# KiCad board Keebs v2.kicad_pcb
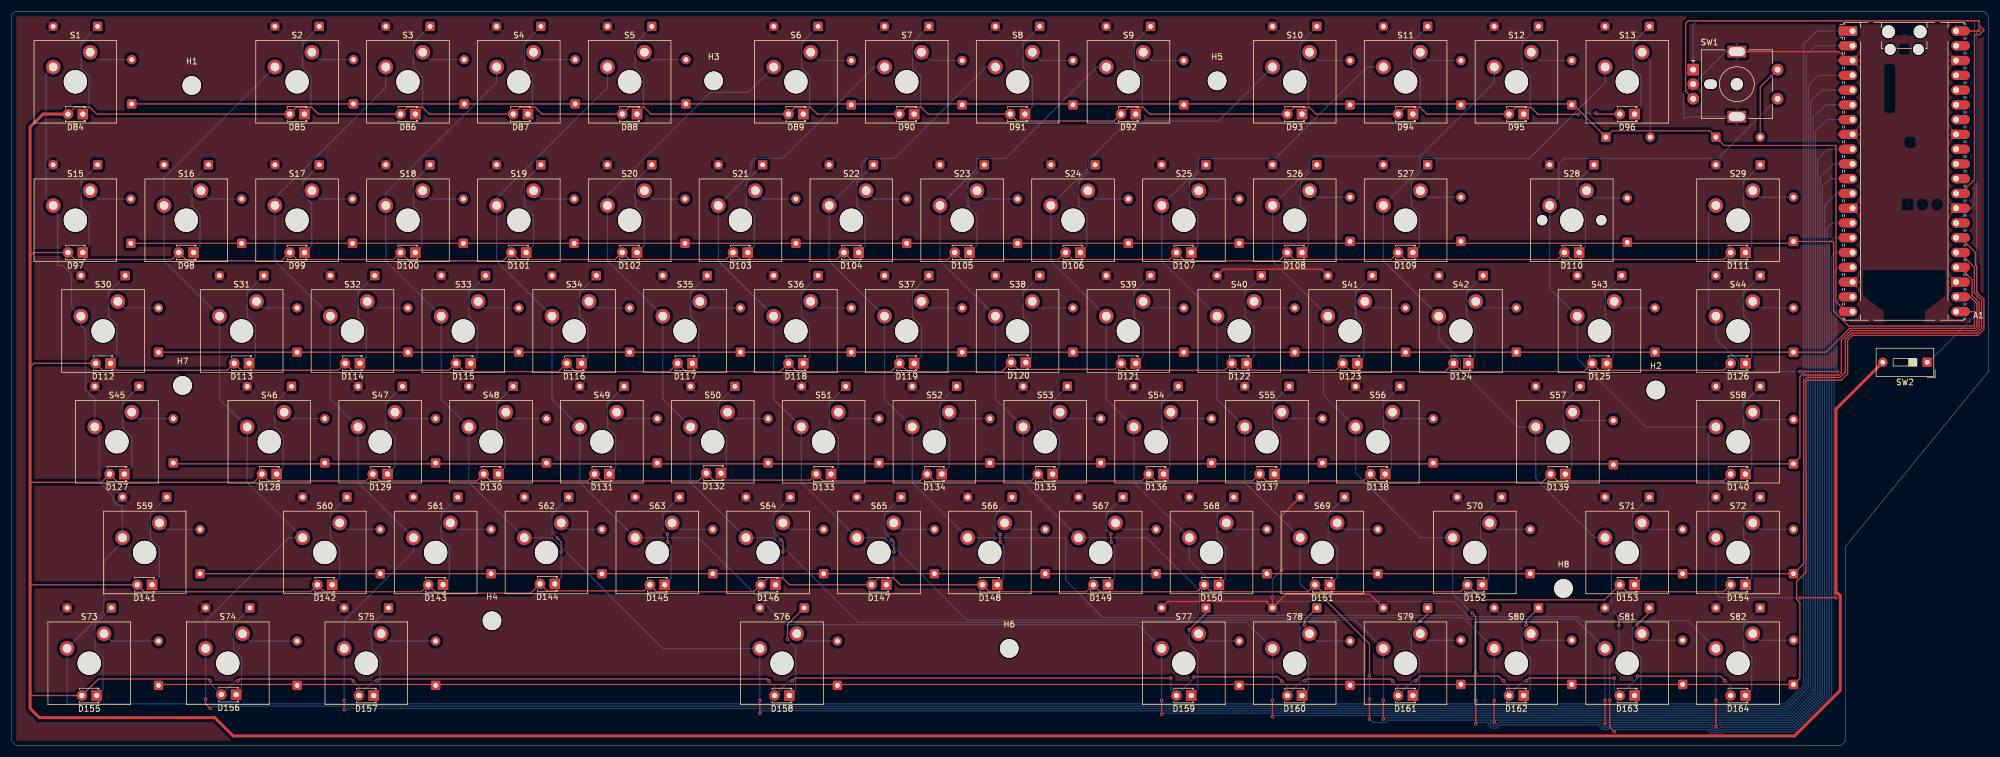
[diagram p0: board, top side]
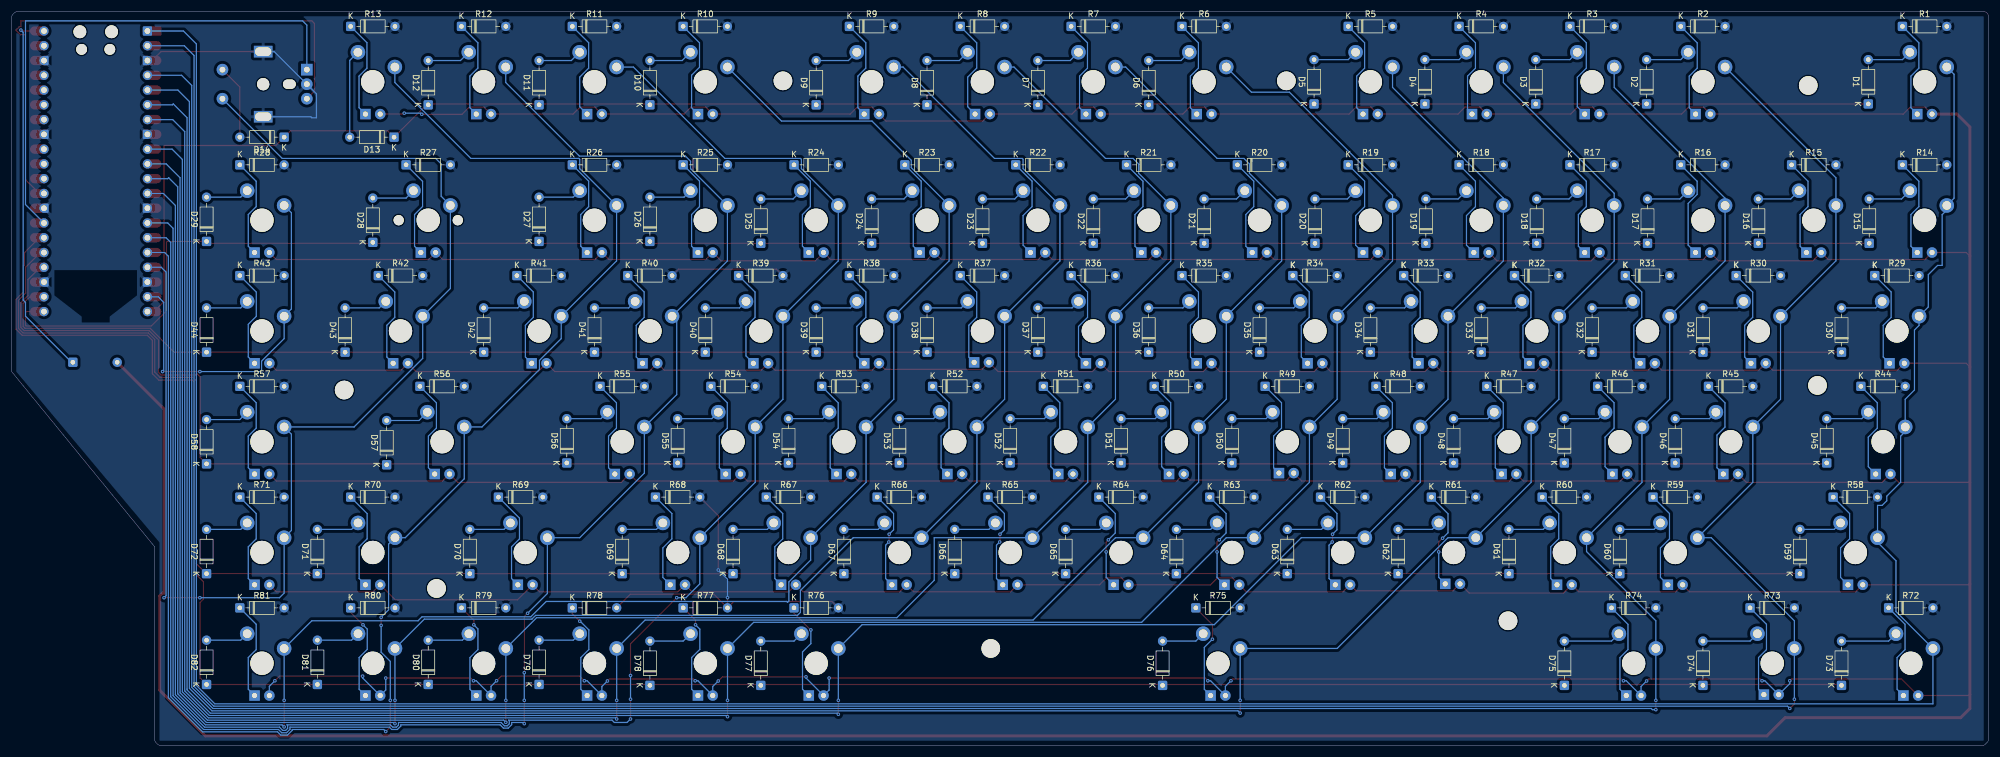
[diagram p1: board, bottom side, seen from below]

Outline 339.7 x 126.2 mm; copper layers: Top, Bottom. Coordinates in mm from the lower left corner of the outline.
Outline path: 0,125.4 0,0.79 arc(0.36,0.36) 0.79,0 314.31,0 arc(314.77,0.33) 315.1,0.79 315.1,34.13 339.7,64.29 339.7,125.4 arc(339.37,125.87) 338.91,126.2 0.79,126.2 arc(0.23,125.97) 0,125.4

## Placement (name value [footprint] x y rotation side)
A1  RaspberryPi_Pico  [RaspberryPi_Pico_Common_Unspecified]  325.26 98.74 0 top
D1  Diode  [D_DO-35_SOD27_P7.62mm_Horizontal]  20.64 110.32 90 bottom
D2  Diode  [D_DO-35_SOD27_P7.62mm_Horizontal]  58.73 110.32 90 bottom
D3  Diode  [D_DO-35_SOD27_P7.62mm_Horizontal]  77.78 110.32 90 bottom
D4  Diode  [D_DO-35_SOD27_P7.62mm_Horizontal]  96.83 110.32 90 bottom
D5  Diode  [D_DO-35_SOD27_P7.62mm_Horizontal]  115.88 110.32 90 bottom
D6  Diode  [D_DO-35_SOD27_P7.62mm_Horizontal]  144.29 110.17 90 bottom
D7  Diode  [D_DO-35_SOD27_P7.62mm_Horizontal]  163.34 110.17 90 bottom
D8  Diode  [D_DO-35_SOD27_P7.62mm_Horizontal]  182.39 110.17 90 bottom
D9  Diode  [D_DO-35_SOD27_P7.62mm_Horizontal]  201.44 110.17 90 bottom
D10  Diode  [D_DO-35_SOD27_P7.62mm_Horizontal]  230.01 110.17 90 bottom
D11  Diode  [D_DO-35_SOD27_P7.62mm_Horizontal]  249.06 110.17 90 bottom
D12  Diode  [D_DO-35_SOD27_P7.62mm_Horizontal]  268.11 110.17 90 bottom
D13  Diode  [D_DO-35_SOD27_P7.62mm_Horizontal]  273.99 104.61 0 bottom
D14  Diode  [D_DO-35_SOD27_P7.62mm_Horizontal]  292.88 104.61 0 bottom
D15  Diode  [D_DO-35_SOD27_P7.62mm_Horizontal]  20.48 86.35 90 bottom
D16  Diode  [D_DO-35_SOD27_P7.62mm_Horizontal]  39.53 86.35 90 bottom
D17  Diode  [D_DO-35_SOD27_P7.62mm_Horizontal]  58.58 86.35 90 bottom
D18  Diode  [D_DO-35_SOD27_P7.62mm_Horizontal]  77.62 86.35 90 bottom
D19  Diode  [D_DO-35_SOD27_P7.62mm_Horizontal]  96.67 86.35 90 bottom
D20  Diode  [D_DO-35_SOD27_P7.62mm_Horizontal]  115.72 86.35 90 bottom
D21  Diode  [D_DO-35_SOD27_P7.62mm_Horizontal]  134.77 86.35 90 bottom
D22  Diode  [D_DO-35_SOD27_P7.62mm_Horizontal]  153.82 86.35 90 bottom
D23  Diode  [D_DO-35_SOD27_P7.62mm_Horizontal]  172.87 86.35 90 bottom
D24  Diode  [D_DO-35_SOD27_P7.62mm_Horizontal]  191.92 86.35 90 bottom
D25  Diode  [D_DO-35_SOD27_P7.62mm_Horizontal]  210.97 86.35 90 bottom
D26  Diode  [D_DO-35_SOD27_P7.62mm_Horizontal]  230.01 86.67 90 bottom
D27  Diode  [D_DO-35_SOD27_P7.62mm_Horizontal]  249.06 86.67 90 bottom
D28  Diode  [D_DO-35_SOD27_P7.62mm_Horizontal]  277.64 86.51 90 bottom
D29  Diode  [D_DO-35_SOD27_P7.62mm_Horizontal]  306.21 86.67 90 bottom
D30  Diode  [D_DO-35_SOD27_P7.62mm_Horizontal]  25.24 67.62 90 bottom
D31  Diode  [D_DO-35_SOD27_P7.62mm_Horizontal]  49.05 67.62 90 bottom
D32  Diode  [D_DO-35_SOD27_P7.62mm_Horizontal]  68.1 67.62 90 bottom
D33  Diode  [D_DO-35_SOD27_P7.62mm_Horizontal]  87.15 67.62 90 bottom
D34  Diode  [D_DO-35_SOD27_P7.62mm_Horizontal]  106.2 67.62 90 bottom
D35  Diode  [D_DO-35_SOD27_P7.62mm_Horizontal]  125.25 67.62 90 bottom
D36  Diode  [D_DO-35_SOD27_P7.62mm_Horizontal]  144.31 67.62 90 bottom
D37  Diode  [D_DO-35_SOD27_P7.62mm_Horizontal]  163.34 67.62 90 bottom
D38  Diode  [D_DO-35_SOD27_P7.62mm_Horizontal]  182.39 67.62 90 bottom
D39  Diode  [D_DO-35_SOD27_P7.62mm_Horizontal]  201.44 67.62 90 bottom
D40  Diode  [D_DO-35_SOD27_P7.62mm_Horizontal]  220.49 67.62 90 bottom
D41  Diode  [D_DO-35_SOD27_P7.62mm_Horizontal]  239.54 67.62 90 bottom
D42  Diode  [D_DO-35_SOD27_P7.62mm_Horizontal]  258.59 67.62 90 bottom
D43  Diode  [D_DO-35_SOD27_P7.62mm_Horizontal]  282.4 67.62 90 bottom
D44  Diode  [D_DO-35_SOD27_P7.62mm_Horizontal]  306.21 67.62 90 bottom
D45  Diode  [D_DO-35_SOD27_P7.62mm_Horizontal]  27.78 48.57 90 bottom
D46  Diode  [D_DO-35_SOD27_P7.62mm_Horizontal]  53.81 48.57 90 bottom
D47  Diode  [D_DO-35_SOD27_P7.62mm_Horizontal]  72.86 48.57 90 bottom
D48  Diode  [D_DO-35_SOD27_P7.62mm_Horizontal]  91.91 48.57 90 bottom
D49  Diode  [D_DO-35_SOD27_P7.62mm_Horizontal]  110.96 48.57 90 bottom
D50  Diode  [D_DO-35_SOD27_P7.62mm_Horizontal]  130.01 48.57 90 bottom
D51  Diode  [D_DO-35_SOD27_P7.62mm_Horizontal]  149.06 48.57 90 bottom
D52  Diode  [D_DO-35_SOD27_P7.62mm_Horizontal]  168.11 48.57 90 bottom
D53  Diode  [D_DO-35_SOD27_P7.62mm_Horizontal]  187.15 48.57 90 bottom
D54  Diode  [D_DO-35_SOD27_P7.62mm_Horizontal]  206.2 48.57 90 bottom
D55  Diode  [D_DO-35_SOD27_P7.62mm_Horizontal]  225.25 48.57 90 bottom
D56  Diode  [D_DO-35_SOD27_P7.62mm_Horizontal]  244.3 48.57 90 bottom
D57  Diode  [D_DO-35_SOD27_P7.62mm_Horizontal]  275.26 48.26 90 bottom
D58  Diode  [D_DO-35_SOD27_P7.62mm_Horizontal]  306.21 48.42 90 bottom
D59  Diode  [D_DO-35_SOD27_P7.62mm_Horizontal]  32.38 29.52 90 bottom
D60  Diode  [D_DO-35_SOD27_P7.62mm_Horizontal]  63.34 29.52 90 bottom
D61  Diode  [D_DO-35_SOD27_P7.62mm_Horizontal]  82.39 29.52 90 bottom
D62  Diode  [D_DO-35_SOD27_P7.62mm_Horizontal]  101.44 29.52 90 bottom
D63  Diode  [D_DO-35_SOD27_P7.62mm_Horizontal]  120.48 29.52 90 bottom
D64  Diode  [D_DO-35_SOD27_P7.62mm_Horizontal]  139.53 29.52 90 bottom
D65  Diode  [D_DO-35_SOD27_P7.62mm_Horizontal]  158.58 29.52 90 bottom
D66  Diode  [D_DO-35_SOD27_P7.62mm_Horizontal]  177.63 29.52 90 bottom
D67  Diode  [D_DO-35_SOD27_P7.62mm_Horizontal]  196.68 29.52 90 bottom
D68  Diode  [D_DO-35_SOD27_P7.62mm_Horizontal]  215.73 29.52 90 bottom
D69  Diode  [D_DO-35_SOD27_P7.62mm_Horizontal]  234.78 29.52 90 bottom
D70  Diode  [D_DO-35_SOD27_P7.62mm_Horizontal]  260.97 29.52 90 bottom
D71  Diode  [D_DO-35_SOD27_P7.62mm_Horizontal]  287.16 29.52 90 bottom
D72  Diode  [D_DO-35_SOD27_P7.62mm_Horizontal]  306.21 29.52 90 bottom
D73  Diode  [D_DO-35_SOD27_P7.62mm_Horizontal]  25.24 10.32 90 bottom
D74  Diode  [D_DO-35_SOD27_P7.62mm_Horizontal]  49.05 10.32 90 bottom
D75  Diode  [D_DO-35_SOD27_P7.62mm_Horizontal]  72.86 10.32 90 bottom
D76  Diode  [D_DO-35_SOD27_P7.62mm_Horizontal]  141.91 10.32 90 bottom
D77  Diode  [D_DO-35_SOD27_P7.62mm_Horizontal]  210.97 10.32 90 bottom
D78  Diode  [D_DO-35_SOD27_P7.62mm_Horizontal]  230.01 10.32 90 bottom
D79  Diode  [D_DO-35_SOD27_P7.62mm_Horizontal]  249.06 10.48 90 bottom
D80  Diode  [D_DO-35_SOD27_P7.62mm_Horizontal]  268.11 10.48 90 bottom
D81  Diode  [D_DO-35_SOD27_P7.62mm_Horizontal]  287.16 10.48 90 bottom
D82  Diode  [D_DO-35_SOD27_P7.62mm_Horizontal]  306.21 10.48 90 bottom
D84  Placeholder_LED  [LED_D1.8mm_W3.3mm_H2.4mm]  12.22 108.58 180 top
D85  Placeholder_LED  [LED_D1.8mm_W3.3mm_H2.4mm]  50.32 108.58 180 top
D86  Placeholder_LED  [LED_D1.8mm_W3.3mm_H2.4mm]  69.37 108.58 180 top
D87  Placeholder_LED  [LED_D1.8mm_W3.3mm_H2.4mm]  88.74 108.58 180 top
D88  Placeholder_LED  [LED_D1.8mm_W3.3mm_H2.4mm]  107.47 108.58 180 top
D89  Placeholder_LED  [LED_D1.8mm_W3.3mm_H2.4mm]  136.04 108.58 180 top
D90  Placeholder_LED  [LED_D1.8mm_W3.3mm_H2.4mm]  155.09 108.58 180 top
D91  Placeholder_LED  [LED_D1.8mm_W3.3mm_H2.4mm]  174.14 108.58 180 top
D92  Placeholder_LED  [LED_D1.8mm_W3.3mm_H2.4mm]  193.19 108.58 180 top
D93  Placeholder_LED  [LED_D1.8mm_W3.3mm_H2.4mm]  221.76 108.58 180 top
D94  Placeholder_LED  [LED_D1.8mm_W3.3mm_H2.4mm]  240.81 108.58 180 top
D95  Placeholder_LED  [LED_D1.8mm_W3.3mm_H2.4mm]  259.86 108.58 180 top
D96  Placeholder_LED  [LED_D1.8mm_W3.3mm_H2.4mm]  278.91 108.58 180 top
D97  Placeholder_LED  [LED_D1.8mm_W3.3mm_H2.4mm]  12.22 84.77 180 top
D98  Placeholder_LED  [LED_D1.8mm_W3.3mm_H2.4mm]  31.27 84.77 180 top
D99  Placeholder_LED  [LED_D1.8mm_W3.3mm_H2.4mm]  50.32 84.77 180 top
D100  Placeholder_LED  [LED_D1.8mm_W3.3mm_H2.4mm]  69.37 84.77 180 top
D101  Placeholder_LED  [LED_D1.8mm_W3.3mm_H2.4mm]  88.42 84.77 180 top
D102  Placeholder_LED  [LED_D1.8mm_W3.3mm_H2.4mm]  107.47 84.77 180 top
D103  Placeholder_LED  [LED_D1.8mm_W3.3mm_H2.4mm]  126.52 84.77 180 top
D104  Placeholder_LED  [LED_D1.8mm_W3.3mm_H2.4mm]  145.56 84.77 180 top
D105  Placeholder_LED  [LED_D1.8mm_W3.3mm_H2.4mm]  164.61 84.77 180 top
D106  Placeholder_LED  [LED_D1.8mm_W3.3mm_H2.4mm]  183.66 84.77 180 top
D107  Placeholder_LED  [LED_D1.8mm_W3.3mm_H2.4mm]  202.71 84.77 180 top
D108  Placeholder_LED  [LED_D1.8mm_W3.3mm_H2.4mm]  221.76 84.77 180 top
D109  Placeholder_LED  [LED_D1.8mm_W3.3mm_H2.4mm]  240.81 84.77 180 top
D110  Placeholder_LED  [LED_D1.8mm_W3.3mm_H2.4mm]  269.38 84.77 180 top
D111  Placeholder_LED  [LED_D1.8mm_W3.3mm_H2.4mm]  297.96 84.77 180 top
D112  Placeholder_LED  [LED_D1.8mm_W3.3mm_H2.4mm]  16.99 65.72 180 top
D113  Placeholder_LED  [LED_D1.8mm_W3.3mm_H2.4mm]  40.8 65.72 180 top
D114  Placeholder_LED  [LED_D1.8mm_W3.3mm_H2.4mm]  59.85 65.72 180 top
D115  Placeholder_LED  [LED_D1.8mm_W3.3mm_H2.4mm]  78.89 65.72 180 top
D116  Placeholder_LED  [LED_D1.8mm_W3.3mm_H2.4mm]  97.94 65.72 180 top
D117  Placeholder_LED  [LED_D1.8mm_W3.3mm_H2.4mm]  116.99 65.72 180 top
D118  Placeholder_LED  [LED_D1.8mm_W3.3mm_H2.4mm]  136.04 65.72 180 top
D119  Placeholder_LED  [LED_D1.8mm_W3.3mm_H2.4mm]  155.09 65.72 180 top
D120  Placeholder_LED  [LED_D1.8mm_W3.3mm_H2.4mm]  174.3 65.88 180 top
D121  Placeholder_LED  [LED_D1.8mm_W3.3mm_H2.4mm]  193.19 65.72 180 top
D122  Placeholder_LED  [LED_D1.8mm_W3.3mm_H2.4mm]  212.24 65.72 180 top
D123  Placeholder_LED  [LED_D1.8mm_W3.3mm_H2.4mm]  231.28 65.72 180 top
D124  Placeholder_LED  [LED_D1.8mm_W3.3mm_H2.4mm]  250.33 65.72 180 top
D125  Placeholder_LED  [LED_D1.8mm_W3.3mm_H2.4mm]  274.14 65.72 180 top
D126  Placeholder_LED  [LED_D1.8mm_W3.3mm_H2.4mm]  297.96 65.72 180 top
D127  Placeholder_LED  [LED_D1.8mm_W3.3mm_H2.4mm]  19.37 46.67 180 top
D128  Placeholder_LED  [LED_D1.8mm_W3.3mm_H2.4mm]  45.56 46.67 180 top
D129  Placeholder_LED  [LED_D1.8mm_W3.3mm_H2.4mm]  64.61 46.67 180 top
D130  Placeholder_LED  [LED_D1.8mm_W3.3mm_H2.4mm]  83.66 46.67 180 top
D131  Placeholder_LED  [LED_D1.8mm_W3.3mm_H2.4mm]  102.71 46.67 180 top
D132  Placeholder_LED  [LED_D1.8mm_W3.3mm_H2.4mm]  121.91 46.83 180 top
D133  Placeholder_LED  [LED_D1.8mm_W3.3mm_H2.4mm]  140.8 46.67 180 top
D134  Placeholder_LED  [LED_D1.8mm_W3.3mm_H2.4mm]  159.85 46.67 180 top
D135  Placeholder_LED  [LED_D1.8mm_W3.3mm_H2.4mm]  178.9 46.67 180 top
D136  Placeholder_LED  [LED_D1.8mm_W3.3mm_H2.4mm]  197.95 46.67 180 top
D137  Placeholder_LED  [LED_D1.8mm_W3.3mm_H2.4mm]  217 46.67 180 top
D138  Placeholder_LED  [LED_D1.8mm_W3.3mm_H2.4mm]  236.05 46.67 180 top
D139  Placeholder_LED  [LED_D1.8mm_W3.3mm_H2.4mm]  267 46.67 180 top
D140  Placeholder_LED  [LED_D1.8mm_W3.3mm_H2.4mm]  297.96 46.67 180 top
D141  Placeholder_LED  [LED_D1.8mm_W3.3mm_H2.4mm]  24.13 27.62 180 top
D142  Placeholder_LED  [LED_D1.8mm_W3.3mm_H2.4mm]  55.08 27.62 180 top
D143  Placeholder_LED  [LED_D1.8mm_W3.3mm_H2.4mm]  74.13 27.62 180 top
D144  Placeholder_LED  [LED_D1.8mm_W3.3mm_H2.4mm]  93.34 27.78 180 top
D145  Placeholder_LED  [LED_D1.8mm_W3.3mm_H2.4mm]  112.23 27.62 180 top
D146  Placeholder_LED  [LED_D1.8mm_W3.3mm_H2.4mm]  131.28 27.62 180 top
D147  Placeholder_LED  [LED_D1.8mm_W3.3mm_H2.4mm]  150.33 27.62 180 top
D148  Placeholder_LED  [LED_D1.8mm_W3.3mm_H2.4mm]  169.38 27.62 180 top
D149  Placeholder_LED  [LED_D1.8mm_W3.3mm_H2.4mm]  188.42 27.62 180 top
D150  Placeholder_LED  [LED_D1.8mm_W3.3mm_H2.4mm]  207.47 27.62 180 top
D151  Placeholder_LED  [LED_D1.8mm_W3.3mm_H2.4mm]  226.52 27.62 180 top
D152  Placeholder_LED  [LED_D1.8mm_W3.3mm_H2.4mm]  252.71 27.62 180 top
D153  Placeholder_LED  [LED_D1.8mm_W3.3mm_H2.4mm]  278.91 27.62 180 top
D154  Placeholder_LED  [LED_D1.8mm_W3.3mm_H2.4mm]  297.96 27.62 180 top
D155  Placeholder_LED  [LED_D1.8mm_W3.3mm_H2.4mm]  14.6 8.57 180 top
D156  Placeholder_LED  [LED_D1.8mm_W3.3mm_H2.4mm]  38.57 8.73 180 top
D157  Placeholder_LED  [LED_D1.8mm_W3.3mm_H2.4mm]  62.23 8.57 180 top
D158  Placeholder_LED  [LED_D1.8mm_W3.3mm_H2.4mm]  133.66 8.57 180 top
D159  Placeholder_LED  [LED_D1.8mm_W3.3mm_H2.4mm]  202.71 8.57 180 top
D160  Placeholder_LED  [LED_D1.8mm_W3.3mm_H2.4mm]  221.76 8.57 180 top
D161  Placeholder_LED  [LED_D1.8mm_W3.3mm_H2.4mm]  240.81 8.57 180 top
D162  Placeholder_LED  [LED_D1.8mm_W3.3mm_H2.4mm]  259.86 8.57 180 top
D163  Placeholder_LED  [LED_D1.8mm_W3.3mm_H2.4mm]  278.91 8.57 180 top
D164  Placeholder_LED  [LED_D1.8mm_W3.3mm_H2.4mm]  297.96 8.57 180 top
H1  Mounting_Hole  [MountingHole_3.2mm_M3]  30.95 113.5 0 top
H2  Mounting_Hole  [MountingHole_3.2mm_M3]  282.56 61.11 0 top
H3  Mounting_Hole  [MountingHole_3.2mm_M3]  120.64 114.29 0 top
H4  Mounting_Hole  [MountingHole_3.2mm_M3]  82.54 21.43 0 top
H5  Mounting_Hole  [MountingHole_3.2mm_M3]  207.16 114.29 0 top
H6  Mounting_Hole  [MountingHole_3.2mm_M3]  171.44 16.67 0 top
H7  Mounting_Hole  [MountingHole_3.2mm_M3]  29.37 61.91 0 top
H8  Mounting_Hole  [MountingHole_3.2mm_M3]  266.68 26.99 0 top
R1  Resistor  [D_DO-35_SOD27_P7.62mm_Horizontal]  14.77 123.66 180 bottom
R2  Resistor  [D_DO-35_SOD27_P7.62mm_Horizontal]  52.86 123.66 180 bottom
R3  Resistor  [D_DO-35_SOD27_P7.62mm_Horizontal]  71.91 123.66 180 bottom
R4  Resistor  [D_DO-35_SOD27_P7.62mm_Horizontal]  90.96 123.66 180 bottom
R5  Resistor  [D_DO-35_SOD27_P7.62mm_Horizontal]  110.01 123.66 180 bottom
R6  Resistor  [D_DO-35_SOD27_P7.62mm_Horizontal]  138.58 123.66 180 bottom
R7  Resistor  [D_DO-35_SOD27_P7.62mm_Horizontal]  157.63 123.66 180 bottom
R8  Resistor  [D_DO-35_SOD27_P7.62mm_Horizontal]  176.68 123.66 180 bottom
R9  Resistor  [D_DO-35_SOD27_P7.62mm_Horizontal]  195.73 123.66 180 bottom
R10  Resistor  [D_DO-35_SOD27_P7.62mm_Horizontal]  224.32 123.66 180 bottom
R11  Resistor  [D_DO-35_SOD27_P7.62mm_Horizontal]  243.35 123.66 180 bottom
R12  Resistor  [D_DO-35_SOD27_P7.62mm_Horizontal]  262.4 123.66 180 bottom
R13  Resistor  [D_DO-35_SOD27_P7.62mm_Horizontal]  281.45 123.66 180 bottom
R14  Resistor  [D_DO-35_SOD27_P7.62mm_Horizontal]  14.77 99.85 180 bottom
R15  Resistor  [D_DO-35_SOD27_P7.62mm_Horizontal]  33.82 99.85 180 bottom
R16  Resistor  [D_DO-35_SOD27_P7.62mm_Horizontal]  52.87 99.85 180 bottom
R17  Resistor  [D_DO-35_SOD27_P7.62mm_Horizontal]  71.92 99.85 180 bottom
R18  Resistor  [D_DO-35_SOD27_P7.62mm_Horizontal]  90.96 99.85 180 bottom
R19  Resistor  [D_DO-35_SOD27_P7.62mm_Horizontal]  110.01 99.85 180 bottom
R20  Resistor  [D_DO-35_SOD27_P7.62mm_Horizontal]  129.06 99.85 180 bottom
R21  Resistor  [D_DO-35_SOD27_P7.62mm_Horizontal]  148.1 99.85 180 bottom
R22  Resistor  [D_DO-35_SOD27_P7.62mm_Horizontal]  167.15 99.85 180 bottom
R23  Resistor  [D_DO-35_SOD27_P7.62mm_Horizontal]  186.2 99.85 180 bottom
R24  Resistor  [D_DO-35_SOD27_P7.62mm_Horizontal]  205.25 99.85 180 bottom
R25  Resistor  [D_DO-35_SOD27_P7.62mm_Horizontal]  224.3 99.85 180 bottom
R26  Resistor  [D_DO-35_SOD27_P7.62mm_Horizontal]  243.35 99.85 180 bottom
R27  Resistor  [D_DO-35_SOD27_P7.62mm_Horizontal]  271.92 99.85 180 bottom
R28  Resistor  [D_DO-35_SOD27_P7.62mm_Horizontal]  300.5 99.85 180 bottom
R29  Resistor  [D_DO-35_SOD27_P7.62mm_Horizontal]  19.53 80.8 180 bottom
R30  Resistor  [D_DO-35_SOD27_P7.62mm_Horizontal]  43.34 80.8 180 bottom
R31  Resistor  [D_DO-35_SOD27_P7.62mm_Horizontal]  62.39 80.8 180 bottom
R32  Resistor  [D_DO-35_SOD27_P7.62mm_Horizontal]  81.43 80.8 180 bottom
R33  Resistor  [D_DO-35_SOD27_P7.62mm_Horizontal]  100.48 80.8 180 bottom
R34  Resistor  [D_DO-35_SOD27_P7.62mm_Horizontal]  119.53 80.8 180 bottom
R35  Resistor  [D_DO-35_SOD27_P7.62mm_Horizontal]  138.58 80.8 180 bottom
R36  Resistor  [D_DO-35_SOD27_P7.62mm_Horizontal]  157.63 80.8 180 bottom
R37  Resistor  [D_DO-35_SOD27_P7.62mm_Horizontal]  176.68 80.8 180 bottom
R38  Resistor  [D_DO-35_SOD27_P7.62mm_Horizontal]  195.73 80.8 180 bottom
R39  Resistor  [D_DO-35_SOD27_P7.62mm_Horizontal]  214.78 80.8 180 bottom
R40  Resistor  [D_DO-35_SOD27_P7.62mm_Horizontal]  233.82 80.8 180 bottom
R41  Resistor  [D_DO-35_SOD27_P7.62mm_Horizontal]  252.87 80.8 180 bottom
R42  Resistor  [D_DO-35_SOD27_P7.62mm_Horizontal]  276.68 80.8 180 bottom
R43  Resistor  [D_DO-35_SOD27_P7.62mm_Horizontal]  300.5 80.8 180 bottom
R44  Resistor  [D_DO-35_SOD27_P7.62mm_Horizontal]  21.91 61.75 180 bottom
R45  Resistor  [D_DO-35_SOD27_P7.62mm_Horizontal]  48.1 61.75 180 bottom
R46  Resistor  [D_DO-35_SOD27_P7.62mm_Horizontal]  67.15 61.75 180 bottom
R47  Resistor  [D_DO-35_SOD27_P7.62mm_Horizontal]  86.2 61.75 180 bottom
R48  Resistor  [D_DO-35_SOD27_P7.62mm_Horizontal]  105.25 61.75 180 bottom
R49  Resistor  [D_DO-35_SOD27_P7.62mm_Horizontal]  124.29 61.75 180 bottom
R50  Resistor  [D_DO-35_SOD27_P7.62mm_Horizontal]  143.34 61.75 180 bottom
R51  Resistor  [D_DO-35_SOD27_P7.62mm_Horizontal]  162.39 61.75 180 bottom
R52  Resistor  [D_DO-35_SOD27_P7.62mm_Horizontal]  181.44 61.75 180 bottom
R53  Resistor  [D_DO-35_SOD27_P7.62mm_Horizontal]  200.49 61.75 180 bottom
R54  Resistor  [D_DO-35_SOD27_P7.62mm_Horizontal]  219.54 61.75 180 bottom
R55  Resistor  [D_DO-35_SOD27_P7.62mm_Horizontal]  238.59 61.75 180 bottom
R56  Resistor  [D_DO-35_SOD27_P7.62mm_Horizontal]  269.54 61.75 180 bottom
R57  Resistor  [D_DO-35_SOD27_P7.62mm_Horizontal]  300.5 61.75 180 bottom
R58  Resistor  [D_DO-35_SOD27_P7.62mm_Horizontal]  26.67 42.7 180 bottom
R59  Resistor  [D_DO-35_SOD27_P7.62mm_Horizontal]  57.62 42.7 180 bottom
R60  Resistor  [D_DO-35_SOD27_P7.62mm_Horizontal]  76.67 42.7 180 bottom
R61  Resistor  [D_DO-35_SOD27_P7.62mm_Horizontal]  95.72 42.7 180 bottom
R62  Resistor  [D_DO-35_SOD27_P7.62mm_Horizontal]  114.77 42.7 180 bottom
R63  Resistor  [D_DO-35_SOD27_P7.62mm_Horizontal]  133.82 42.7 180 bottom
R64  Resistor  [D_DO-35_SOD27_P7.62mm_Horizontal]  152.87 42.7 180 bottom
R65  Resistor  [D_DO-35_SOD27_P7.62mm_Horizontal]  171.92 42.7 180 bottom
R66  Resistor  [D_DO-35_SOD27_P7.62mm_Horizontal]  190.96 42.7 180 bottom
R67  Resistor  [D_DO-35_SOD27_P7.62mm_Horizontal]  210.01 42.7 180 bottom
R68  Resistor  [D_DO-35_SOD27_P7.62mm_Horizontal]  229.06 42.7 180 bottom
R69  Resistor  [D_DO-35_SOD27_P7.62mm_Horizontal]  256.05 42.7 180 bottom
R70  Resistor  [D_DO-35_SOD27_P7.62mm_Horizontal]  281.45 42.7 180 bottom
R71  Resistor  [D_DO-35_SOD27_P7.62mm_Horizontal]  300.5 42.7 180 bottom
R72  Resistor  [D_DO-35_SOD27_P7.62mm_Horizontal]  17.14 23.65 180 bottom
R73  Resistor  [D_DO-35_SOD27_P7.62mm_Horizontal]  40.96 23.65 180 bottom
R74  Resistor  [D_DO-35_SOD27_P7.62mm_Horizontal]  64.77 23.65 180 bottom
R75  Resistor  [D_DO-35_SOD27_P7.62mm_Horizontal]  136.2 23.65 180 bottom
R76  Resistor  [D_DO-35_SOD27_P7.62mm_Horizontal]  205.25 23.65 180 bottom
R77  Resistor  [D_DO-35_SOD27_P7.62mm_Horizontal]  224.3 23.65 180 bottom
R78  Resistor  [D_DO-35_SOD27_P7.62mm_Horizontal]  243.35 23.65 180 bottom
R79  Resistor  [D_DO-35_SOD27_P7.62mm_Horizontal]  262.4 23.65 180 bottom
R80  Resistor  [D_DO-35_SOD27_P7.62mm_Horizontal]  281.45 23.65 180 bottom
R81  Resistor  [D_DO-35_SOD27_P7.62mm_Horizontal]  300.5 23.65 180 bottom
S1  Keyswitch  [MX_Plate_1.00u]  10.96 114.13 0 top
S2  Keyswitch  [MX_Plate_1.00u]  49.06 114.13 0 top
S3  Keyswitch  [MX_Plate_1.00u]  68.11 114.13 0 top
S4  Keyswitch  [MX_Plate_1.00u]  87.16 114.13 0 top
S5  Keyswitch  [MX_Plate_1.00u]  106.21 114.13 0 top
S6  Keyswitch  [MX_Plate_1.00u]  134.78 114.13 0 top
S7  Keyswitch  [MX_Plate_1.00u]  153.83 114.13 0 top
S8  Keyswitch  [MX_Plate_1.00u]  172.88 114.13 0 top
S9  Keyswitch  [MX_Plate_1.00u]  191.93 114.13 0 top
S10  Keyswitch  [MX_Plate_1.00u]  220.51 114.13 0 top
S11  Keyswitch  [MX_Plate_1.00u]  239.56 114.13 0 top
S12  Keyswitch  [MX_Plate_1.00u]  258.61 114.13 0 top
S13  Keyswitch  [MX_Plate_1.00u]  277.66 114.13 0 top
S15  Keyswitch  [MX_Plate_1.00u]  10.96 90.32 0 top
S16  Keyswitch  [MX_Plate_1.00u]  30.01 90.32 0 top
S17  Keyswitch  [MX_Plate_1.00u]  49.06 90.32 0 top
S18  Keyswitch  [MX_Plate_1.00u]  68.11 90.32 0 top
S19  Keyswitch  [MX_Plate_1.00u]  87.16 90.32 0 top
S20  Keyswitch  [MX_Plate_1.00u]  106.21 90.32 0 top
S21  Keyswitch  [MX_Plate_1.00u]  125.26 90.32 0 top
S22  Keyswitch  [MX_Plate_1.00u]  144.31 90.32 0 top
S23  Keyswitch  [MX_Plate_1.00u]  163.36 90.32 0 top
S24  Keyswitch  [MX_Plate_1.00u]  182.41 90.32 0 top
S25  Keyswitch  [MX_Plate_1.00u]  201.46 90.32 0 top
S26  Keyswitch  [MX_Plate_1.00u]  220.51 90.32 0 top
S27  Keyswitch  [MX_Plate_1.00u]  239.56 90.32 0 top
S28  Keyswitch  [MX_PCB_2.00u]  268.11 90.32 0 top
S29  Keyswitch  [MX_Plate_1.00u]  296.69 90.32 0 top
S30  Keyswitch  [MX_Plate_1.50u]  15.72 71.27 0 top
S31  Keyswitch  [MX_Plate_1.00u]  39.53 71.27 0 top
S32  Keyswitch  [MX_Plate_1.00u]  58.58 71.27 0 top
S33  Keyswitch  [MX_Plate_1.00u]  77.62 71.27 0 top
S34  Keyswitch  [MX_Plate_1.00u]  96.67 71.27 0 top
S35  Keyswitch  [MX_Plate_1.00u]  115.72 71.27 0 top
S36  Keyswitch  [MX_Plate_1.00u]  134.77 71.27 0 top
S37  Keyswitch  [MX_Plate_1.00u]  153.82 71.27 0 top
S38  Keyswitch  [MX_Plate_1.00u]  172.87 71.27 0 top
S39  Keyswitch  [MX_Plate_1.00u]  191.92 71.27 0 top
S40  Keyswitch  [MX_Plate_1.00u]  210.97 71.27 0 top
S41  Keyswitch  [MX_Plate_1.00u]  230.01 71.27 0 top
S42  Keyswitch  [MX_Plate_1.00u]  249.06 71.27 0 top
S43  Keyswitch  [MX_Plate_1.50u]  272.87 71.27 0 top
S44  Keyswitch  [MX_Plate_1.00u]  296.69 71.27 0 top
S45  Keyswitch  [MX_Plate_1.75u]  18.1 52.23 0 top
S46  Keyswitch  [MX_Plate_1.00u]  44.29 52.23 0 top
S47  Keyswitch  [MX_Plate_1.00u]  63.34 52.23 0 top
S48  Keyswitch  [MX_Plate_1.00u]  82.39 52.23 0 top
S49  Keyswitch  [MX_Plate_1.00u]  101.44 52.23 0 top
S50  Keyswitch  [MX_Plate_1.00u]  120.48 52.23 0 top
S51  Keyswitch  [MX_Plate_1.00u]  139.53 52.23 0 top
S52  Keyswitch  [MX_Plate_1.00u]  158.58 52.23 0 top
S53  Keyswitch  [MX_Plate_1.00u]  177.63 52.23 0 top
S54  Keyswitch  [MX_Plate_1.00u]  196.68 52.23 0 top
S55  Keyswitch  [MX_Plate_1.00u]  215.73 52.23 0 top
S56  Keyswitch  [MX_Plate_1.00u]  234.78 52.23 0 top
S57  Keyswitch  [MX_Plate_2.25u]  265.73 52.23 0 top
S58  Keyswitch  [MX_Plate_1.00u]  296.69 52.23 0 top
S59  Keyswitch  [MX_Plate_2.25u]  22.86 33.18 0 top
S60  Keyswitch  [MX_Plate_1.00u]  53.81 33.18 0 top
S61  Keyswitch  [MX_Plate_1.00u]  72.86 33.18 0 top
S62  Keyswitch  [MX_Plate_1.00u]  91.91 33.18 0 top
S63  Keyswitch  [MX_Plate_1.00u]  110.96 33.18 0 top
S64  Keyswitch  [MX_Plate_1.00u]  130.01 33.18 0 top
S65  Keyswitch  [MX_Plate_1.00u]  149.06 33.18 0 top
S66  Keyswitch  [MX_Plate_1.00u]  168.11 33.18 0 top